# Altium PCB LimePSB-RPCM_1v5.PcbDoc (part 7 of 12)
Units mm, origin at the board's own origin, x right, y up, seen from the top; angles counter-clockwise.
Board outline 170 x 110 mm, 6 copper layers (Top, L2, L3, L4, L5, Bottom), stack 1.583 mm thick; 998 components, 580 nets, 4160 pads, 1908 vias.
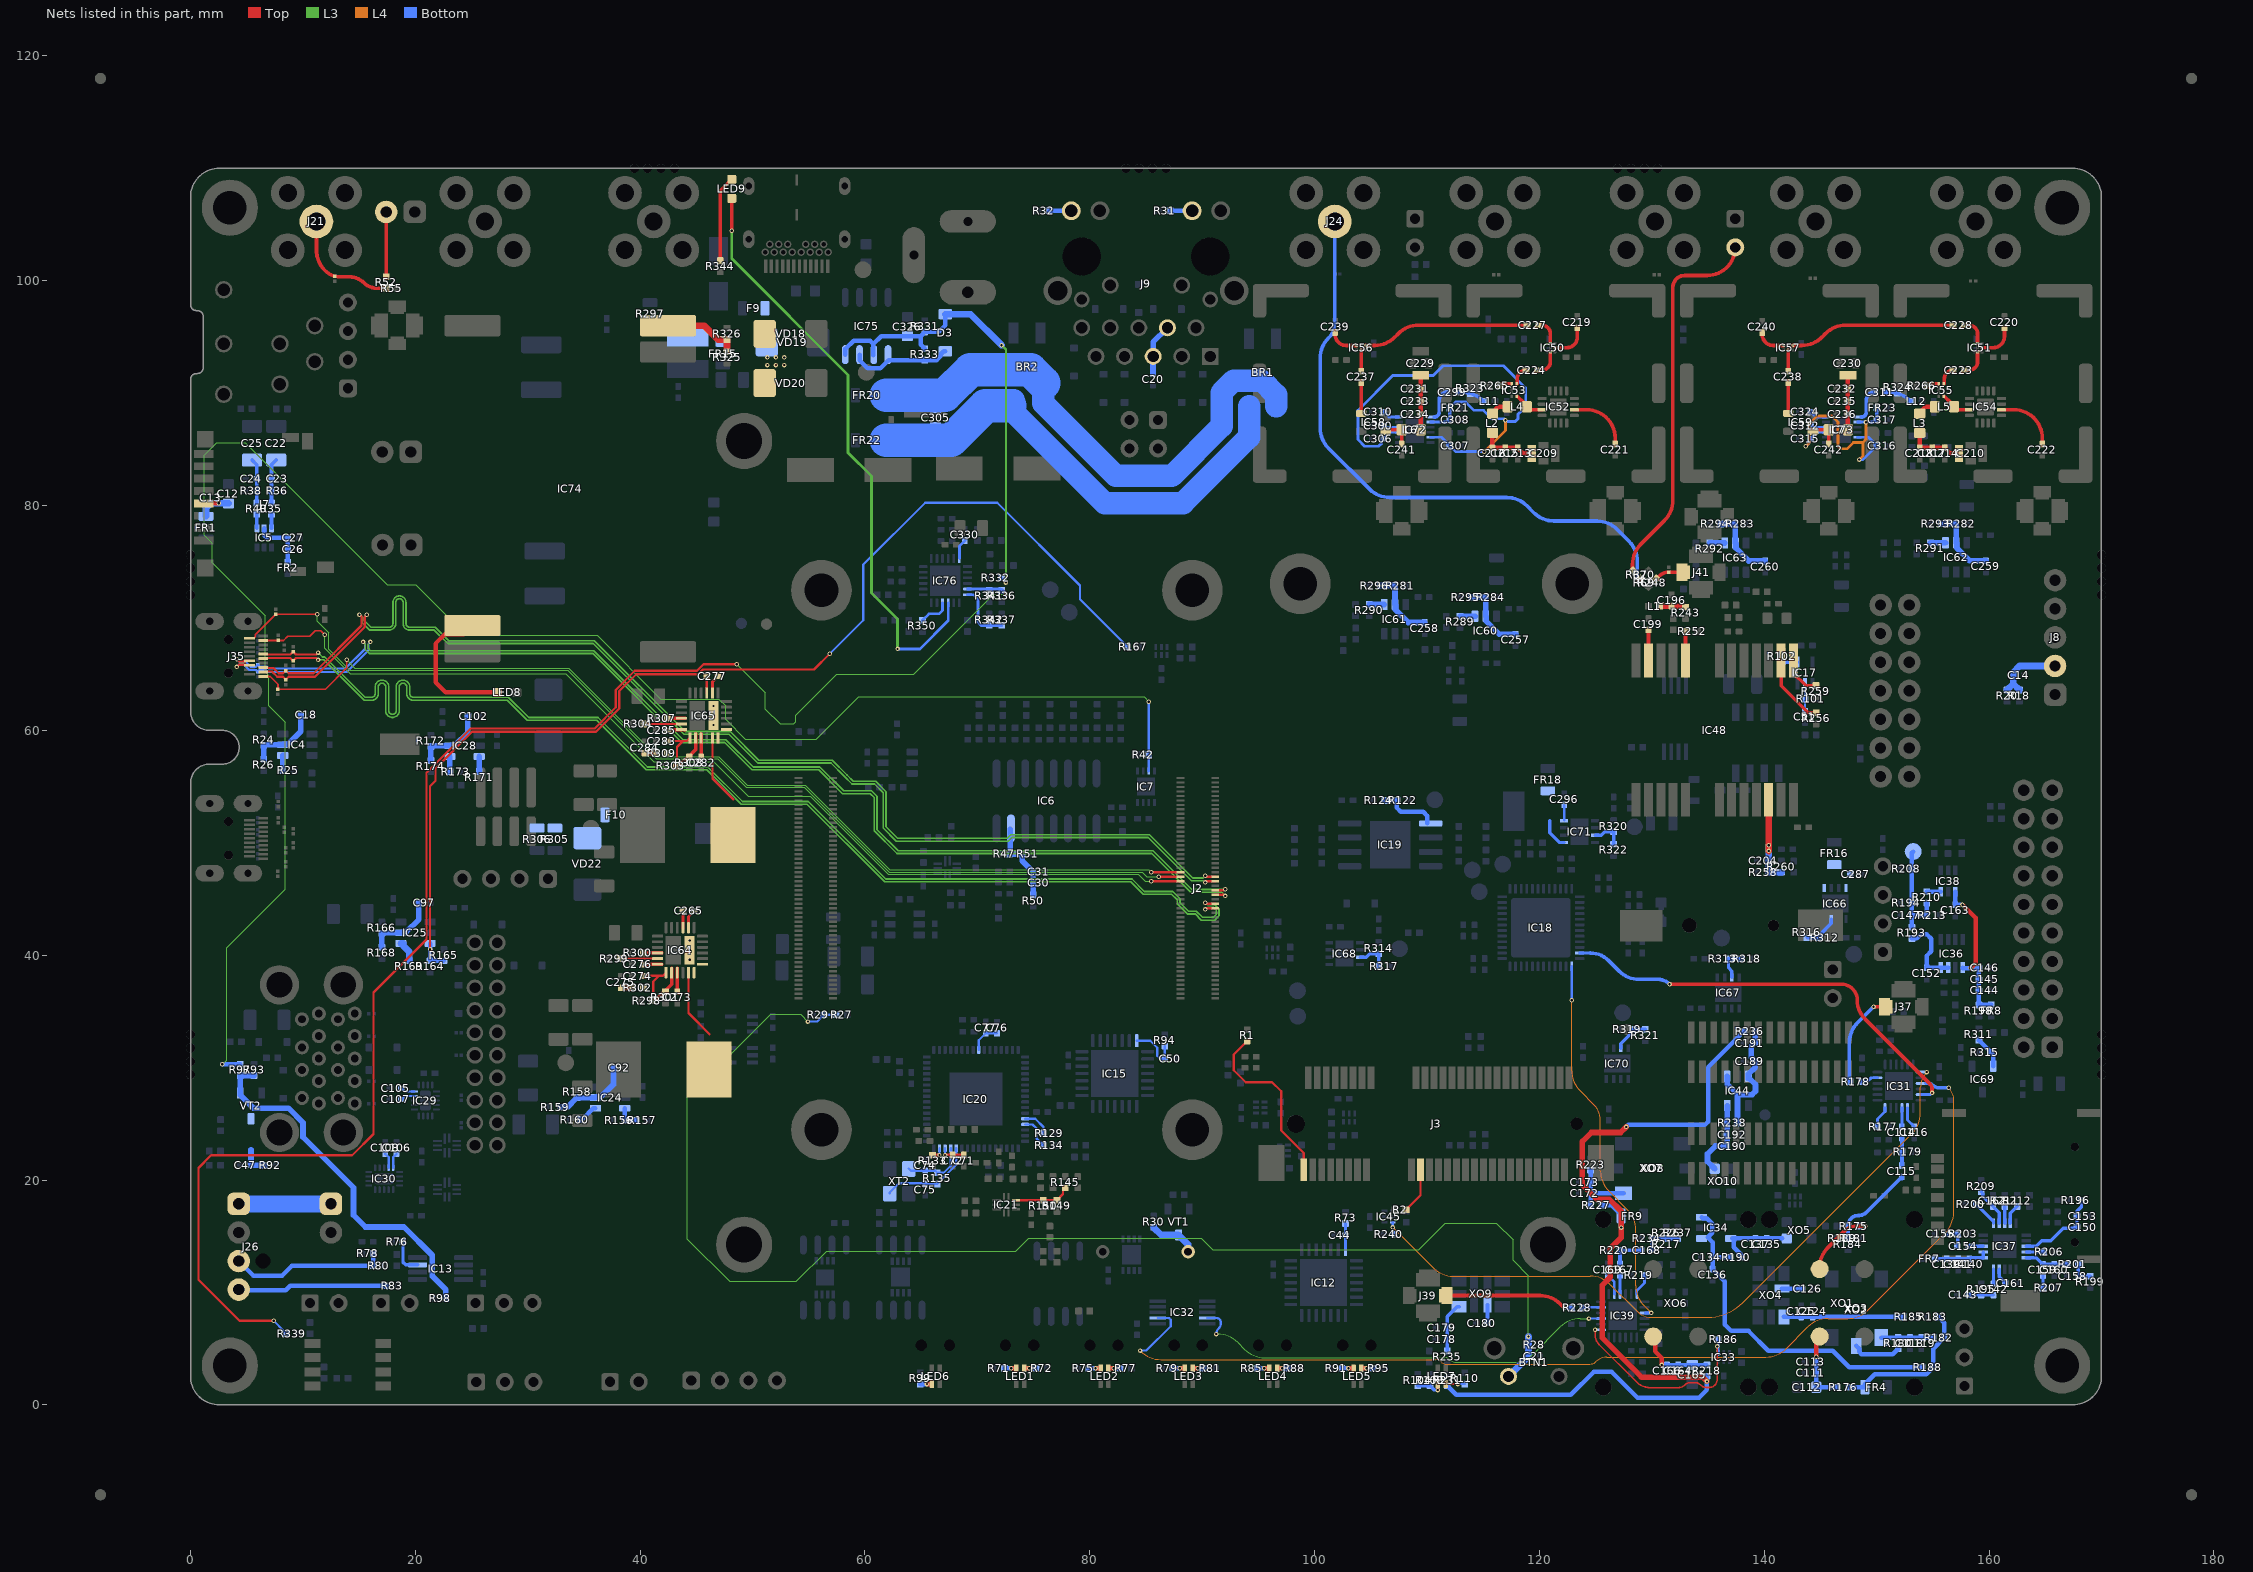
[diagram p11: the nets of this part, all layers, seen from the top]

## Via types
v1: diameter 0.4, hole 0.2, Top to Bottom, tented both sides, 1884 vias
v2: diameter 0.5, hole 0.2, Top to Bottom, tented both sides, 24 vias

## Nets (pads, with @x,y where several pads share a name; then routed paths per layer and width w, separated by ;. In a path a pad name is that pad's centre, name@x,y a point inside that pad or via, vN(x,y) a via of type N, cw(c..) or ccw(c..) an arc to the next point about the centre after c; other vN are vias at no path point) (continued)
HDMI1_D0_N: ESD24.1 J2.60 J35.11 | length 105.1
  Top w0.2: J35.11@6.475,66.798 6.785,66.798 6.835,66.748 8.873,66.748 ESD24.1@9.123,66.998 ; ESD24.1@9.127,66.998 9.377,66.748 11.173,66.748 v1(11.348,66.923) ; v1(90.28,44.075) 90.38,44.175 J2.60@91.165,44.175
  L3 w0.15: v1(11.348,66.923) 11.747,66.525 11.95,66.525 15.525,62.95 16.1,62.95 ccw(c16.1,63.279) 16.429,63.279 16.429,63.87 cw(c17.033,63.87) 17.637,63.87 17.637,61.755 ccw(c17.966,61.755) 18.295,61.755 18.295,63.87 cw(c18.899,63.87) 19.503,63.87 19.503,63.279 ccw(c19.832,63.279) 19.832,62.95 28.275,62.95 30.075,61.15 36.25,61.15 40.65,56.75 46.025,56.75 49.1,53.675 54.95,53.675 61.85,46.775 83.754,46.775 84.854,45.675 87.375,45.675 88.025,45.025 88.025,44.675 88.775,43.925 89.475,43.925 90.025,43.375 91,43.375 91.25,43.625 91.25,44.025 91.025,44.25 90.493,44.25 90.318,44.075 v1(90.28,44.075)
HDMI1_D0_P: ESD23.1 J2.58 J35.9 | length 105.8
  Top w0.2: J35.9@6.475,66.398 6.785,66.398 6.835,66.448 8.875,66.448 ESD23.1@9.125,66.198 9.375,66.448 11.173,66.448 v1(11.348,66.273) ; v1(90.28,44.675) 90.38,44.575 J2.58@91.165,44.575
  L3 w0.15: v1(11.348,66.273) 11.848,66.273 15.446,62.675 16.1,62.675 ccw(c16.1,63.279) 16.704,63.279 16.704,63.87 cw(c17.033,63.87) 17.362,63.87 17.362,61.755 ccw(c17.966,61.755) 18.57,61.755 18.57,63.87 cw(c18.899,63.87) 19.228,63.87 19.228,63.279 ccw(c19.832,63.279) 19.832,62.675 28.175,62.675 29.95,60.9 36.146,60.9 40.546,56.5 45.921,56.5 48.996,53.425 54.846,53.425 61.746,46.525 83.65,46.525 84.75,45.425 87.271,45.425 87.775,44.921 87.775,44.571 88.671,43.675 89.371,43.675 89.921,43.125 91.104,43.125 91.5,43.521 91.5,44.129 91.129,44.5 90.493,44.5 90.318,44.675 v1(90.28,44.675)
HDMI1_D1_N: ESD22.1 J2.54 J35.8 | length 103.6
  Top w0.2: v1(4.121,66.348) 4.321,66.148 4.89,66.148 4.94,66.198 J35.8@5.25,66.198 ; J2.54@91.165,45.375 91.95,45.375 v1(92.05,45.275)
  L3 w0.15: v1(15.35,67.875) 15.55,67.675 15.55,67.196 15.896,66.85 35.775,66.85 43.7,58.925 47.521,58.925 49.946,56.5 55.875,56.5 57.85,54.525 58,54.375 60.475,54.375 60.825,54.025 60.825,51.071 62.846,49.05 85.521,49.05 88.971,45.6 91.725,45.6 v1(92.05,45.275)
  Bottom w0.2: v1@4.118,66.348 4.318,66.148 4.871,66.148 5.348,65.672 5.798,65.672 ESD22.1@5.973,65.847 5.973,65.842 6.131,65.684 6.783,65.684 6.967,65.5 13.775,65.5 15.525,67.25 15.525,67.7 v1(15.35,67.875)
HDMI1_D1_P: ESD21.1 J2.52 J35.6 | length 103.5
  Top w0.2: v1(4.119,65.648) 4.319,65.848 4.89,65.848 4.94,65.798 J35.6@5.25,65.798 ; J2.52@91.165,45.775 91.95,45.775 v1(92.05,45.875)
  L3 w0.15: v1(16,67.875) 15.8,67.675 15.8,67.3 16,67.1 35.879,67.1 43.804,59.175 47.625,59.175 50.05,56.75 55.979,56.75 58.104,54.625 60.579,54.625 61.075,54.129 61.075,51.175 62.95,49.3 85.625,49.3 89.075,45.85 v1@92.05,45.85
  Bottom w0.2: v1@4.116,65.648 4.316,65.848 4.747,65.848 5.223,65.372 5.823,65.372 ESD21.1@5.973,65.222 5.973,65.227 6.131,65.384 6.659,65.384 6.843,65.2 13.899,65.2 15.825,67.126 15.825,67.7 v1(16,67.875)
HDMI1_D2_N: ESD20.1 J2.48 J35.5 | length 105.2
  Top w0.2: J35.5@6.475,65.598 6.785,65.598 6.835,65.548 7.376,65.548 7.849,65.075 8.225,65.075 ESD20.1@8.475,65.325 ; ESD20.1@8.478,65.325 8.728,65.075 10.95,65.075 15.2,69.325 15.2,70.125 v1(15.025,70.3) ; v1(90.28,46.475) 90.38,46.575 J2.48@91.165,46.575
  L3 w0.15: v1(15.025,70.3) 15.225,70.1 15.225,69.646 15.946,68.925 17.675,68.925 ccw(c17.675,69.504) 18.254,69.504 18.254,71.39 cw(c18.583,71.39) 18.583,71.719 cw(c18.583,71.39) 18.912,71.39 18.912,69.504 ccw(c19.491,69.504) 19.491,68.925 21.675,68.925 22.875,67.725 35.825,67.725 43.9,59.65 47.9,59.65 50.45,57.1 56.98,57.1 58.15,55.93 58.15,55.925 58.85,55.225 60.85,55.225 61.625,54.45 61.625,51.321 62.796,50.15 72.754,50.15 73.077,50.473 85.202,50.473 89.05,46.625 90.13,46.625 v1(90.28,46.475)
HDMI1_D2_P: ESD19.1 J2.46 J35.3 | length 105.3
  Top w0.2: J35.3@6.475,65.198 6.785,65.198 6.835,65.248 7.252,65.248 7.725,64.775 8.227,64.775 ESD19.1@8.477,64.525 8.727,64.775 11.074,64.775 15.5,69.201 15.5,70.125 v1(15.675,70.3) ; v1(90.28,47.075) 90.38,46.975 J2.46@91.165,46.975
  L3 w0.15: v1(15.675,70.3) 15.475,70.1 15.475,69.75 16.05,69.175 17.675,69.175 ccw(c17.675,69.504) 18.004,69.504 18.004,71.39 cw(c18.583,71.39) 18.583,71.969 cw(c18.583,71.39) 19.162,71.39 19.162,69.504 ccw(c19.491,69.504) 19.491,69.175 21.779,69.175 22.979,67.975 35.929,67.975 44.004,59.9 48.004,59.9 50.554,57.35 57.084,57.35 58.4,56.034 58.4,56.029 58.954,55.475 60.954,55.475 61.875,54.554 61.875,51.425 62.9,50.4 72.65,50.4 72.973,50.723 85.305,50.723 89.154,46.875 90.08,46.875 v1(90.28,47.075)
HDMI1_HPD: ESD30.1 J2.43 J35.1 | length 91.6
  Top w0.15: J35.1@6.475,64.798 7.077,64.798 7.775,64.1 ESD30.1@7.775,63.675 12,63.675 13.9,65.575 v1(13.9,66.275)
  Top w0.2: v1(85.475,47.375) J2.43@88.085,47.375
  L3 w0.1: v1(13.9,66.275) 14.625,65.55 33.633,65.55 41.508,57.675 46.983,57.675 49.533,55.125 54.699,55.125 62.224,47.6 85.25,47.6 v1(85.475,47.375)
HDMI1_SCL: ESD28.1 J2.47 J35.17 | length 91.9
  Top w0.15: J35.17@6.475,67.998 7.798,67.998 ESD28.1@7.8,68 8.275,68 8.65,68.375 10.6,68.375 11.1,68.875 11.575,68.875 v1(11.95,68.5)
  Top w0.2: v1(85.475,46.575) J2.47@88.085,46.575
  L3 w0.1: v1(11.95,68.5) 11.95,67.292 14.192,65.05 33.375,65.05 41.225,57.2 46.558,57.2 49.633,54.125 55.133,54.125 62.058,47.2 84.325,47.2 84.95,46.575 v1(85.475,46.575)
HDMI1_SDA: ESD29.1 J2.45 J35.18 | length 94.7
  Top w0.15: J35.18@5.25,68.198 5.635,68.198 5.675,68.238 5.675,68.25 5.75,68.325 5.75,68.505 7.57,70.325 v1(11.275,70.325)
  Top w0.2: v1(86.125,46.975) J2.45@88.085,46.975
  L3 w0.1: v1(11.275,70.325) 11.275,69.725 12.3,68.7 12.3,67.225 14.175,65.35 33.55,65.35 41.425,57.475 46.9,57.475 49.45,54.925 54.616,54.925 62.141,47.4 84.65,47.4 85.075,46.975 v1(86.125,46.975)
HDR_INT_TO_EXT1: J20.2 R52.2 | length 5.8
  Top w0.325: R52.2@17.4,100.35 J20.2@17.4,106.121
HDR_INT_TO_EXT2: J23.2 R62.2 | length 34.1
  Top w0.325: R62.2@128.286,74.189 128.286,74.784 cw(c130.826,74.784) 129.03,76.58 131.131,78.681 ccw(c129.335,80.477) 131.875,80.477 131.875,99.425 cw(c132.925,99.425) 132.925,100.475 134.925,100.475 ccw(c134.925,102.975) J23.2@137.425,102.975
INT_TO_EXT1: ESD1.1 J21.1 R52.1 R55.1 | length 10.4
  Top w0.325: J21.1@11.2,105.275 11.2,102.727 ccw(c13.74,102.727) 11.944,100.931 ccw(c13.347,102.334) 13.347,100.35 14.122,100.35 cw(c14.122,98.472) 15.45,99.8 ccw(c16.536,100.886) 16.536,99.35 R52.1@17.4,99.35
INT_TO_EXT2: ESD2.1 J24.1 R62.1 R69.1 R70.1 | length 54.7
  Top w0.325: v1(128.7,73.175) R69.1@128.997,73.472 ; R69.1@128.987,73.482 R69.1@128.993,73.482
  Bottom w0.325: J24.1@101.8,105.275 101.8,96.182 cw(c100.093,96.182) 101.3,94.975 101.244,94.919 ccw(c103.04,93.123) 100.5,93.123 100.5,86.902 ccw(c103.04,86.902) 101.244,85.106 104.881,81.469 ccw(c106.677,83.265) 106.677,80.725 117.098,80.725 cw(c117.098,78.185) 118.894,79.981 119.506,79.369 ccw(c121.302,81.165) 121.302,78.625 125.123,78.625 cw(c125.123,76.085) 126.919,77.881 127.956,76.844 cw(c126.16,75.048) 128.7,75.048 v1(128.7,73.175)
ISNK_COARSE: IC76.5 R336.2 R339.2 R341.2 | length 138.7
  Top w0.2: v1(7.4,7.475) 4.35,7.475 0.7,11.125 0.7,21.075 1.825,22.2 14.375,22.2 16.275,24.1 16.275,36.69 20.985,41.4 20.985,56.235 24.925,60.175 35.951,60.175 37.825,62.049 37.825,63.6 39.525,65.3 45.05,65.3 45.625,65.875 v1(48.6,65.875)
  L3 w0.1: v1(48.6,65.875) 51.125,63.35 51.125,61.9 52.45,60.575 53.65,60.575 53.825,60.75 53.825,61.334 57.491,65 64.325,65 71.445,72.12 v1(72.516,72.12)
  Bottom w0.2: v1(7.4,7.475) 8.325,6.55 8.325,6.525 R339.2@8.525,6.325
  Bottom w0.25: IC76.5@69.116,72.575 R336.2@72.061,72.575
  Bottom w0.4: R336.2@72.166,72.47 v1(72.516,72.12)
ISNK_FINE: IC76.6 R337.2 R342.2 | length 5.4
  Bottom w0.25: IC76.6@69.116,72.075 69.661,72.075 70.041,71.695 70.041,69.645 70.341,69.345 R342.2@71.066,69.345 R337.2@72.166,69.345
LM75_OS: IC7.3 R42.1 R97.1 | length 165.1
  L3 w0.1: v1(2.825,30.3) 3.2,30.675 3.2,40.65 8.425,45.875 8.425,60.725 6.975,62.175 6.975,64.85 6.625,65.2 6.625,70.2 1.925,74.9 1.925,76.65 1.225,77.35 1.225,84.483 2.342,85.6 4.85,85.6 17.5,72.95 20.05,72.95 24.55,68.45 36.175,68.45 41.85,62.775 47,62.775 47.6,62.175 47.6,60.975 49.35,59.225 55.675,59.225 59.425,62.975 84.825,62.975 v1(85.25,62.55)
  Bottom w0.25: IC7.3@85.25,56.4 R42.1@85.25,57.851 v1(85.25,62.55)
  Bottom w0.4: v1(2.825,30.3) R97.1@4.425,30.3
LMK10_CLK_OUT0: IC18.37 IC39.3 | length 33.8
  L4 w0.1: v1(122.875,35.985) 122.875,29.727 ccw(c125.415,29.727) 123.619,27.931 124.85,26.7 cw(c123.462,25.312) 125.425,25.312 125.425,20.827 ccw(c127.965,20.827) 126.169,19.031 127.831,17.369 cw(c126.035,15.573) 128.575,15.573 128.575,10.591 ccw(c131.115,10.591) 129.319,8.795 v1(129.939,8.174)
  Bottom w0.25: v1(122.875,35.985) IC18.37@122.875,39 ; IC39.3@129.414,8.174 v1(129.939,8.174)
LMK10_CLK_OUT2: IC33.1 IC39.13 R186.2 | length 18.2
  Top w0.15: v1(124.954,6.674) 124.954,6.211 ccw(c126.136,6.211) 125.3,5.375 128.631,2.044 ccw(c129.884,3.297) 129.884,1.525 132.311,1.525 ccw(c132.311,2.464) 132.975,1.8 cw(c133.397,1.378) 133.397,1.975 133.842,1.975 cw(c133.842,1.292) 134.325,1.775 ccw(c134.868,2.318) 134.868,1.55 135.121,1.55 ccw(c135.121,2.223) 135.597,1.747 ccw(c135.047,2.297) 135.825,2.297 v1(135.825,5.2)
  Bottom w0.23: IC33.1@135.9,4.613 R186.2@135.9,5.825
LMK10_CLK_OUT3: IC32.4 IC39.15 | length 39
  L3 w0.1: v1(91.25,6.292) 91.356,6.292 cw(c91.356,3.752) 93.152,5.548 93.756,4.944 ccw(c95.552,6.74) 95.552,4.2 111.588,4.2 cw(c111.588,3.688) 111.95,4.05 ccw(c112.614,4.714) 112.614,3.775 117.648,3.775 ccw(c117.648,6.315) 119.444,4.519 121.855,6.93 cw(c123.651,5.134) 123.651,7.674 v1(124.399,7.674)
  Bottom w0.2: IC32.4@90.45,7.725 91.275,7.725 cw(c91.275,7.35) 91.65,7.35 91.65,7.258 cw(c90.967,7.258) 91.45,6.775 ccw(c91.933,6.292) v1(91.25,6.292) ; v1(124.399,7.674) IC39.15@125.489,7.674
LMK10_CLK_OUT4: IC39.17 R228.2 | length 1.6
  Bottom w0.25: R228.2@123.864,8.624 123.914,8.674 IC39.17@125.489,8.674
LMKRF_CLK_OUT1: IC31.5 R178.2 | length 1.6
  Bottom w0.25: R178.2@148.65,28.75 148.654,28.754 149.179,28.754 149.525,29.1 IC31.5@150.075,29.1
LMKRF_CLK_OUT2: IC31.13 IC45.3 R240.2 | length 62.7
  L4 w0.1: v1(106.95,15.781) 110.537,12.194 ccw(c112.333,13.99) 112.333,11.45 124.523,11.45 cw(c124.523,8.91) 126.319,10.706 128.73,8.295 ccw(c129.925,9.49) 129.925,7.8 134.988,7.8 ccw(c134.988,12.175) 138.081,9.081 153.156,24.156 ccw(c151.36,25.952) 153.9,25.952 153.9,28.247 cw(c155.814,28.247) 153.926,28.561 cw(c155.814,28.247) v1(154.461,29.601)
  Bottom w0.2: IC45.3@106.95,16.25 v1(106.95,15.781) 106.95,15.312 R240.2@107.087,15.175
LMKRF_CLK_OUT3: IC31.15 IC32.7 | length 97.1
  L4 w0.1: v1(84.475,4.825) 84.531,4.769 ccw(c86.327,6.565) 86.327,4.025 110.767,4.025 cw(c110.767,3.342) 111.25,3.825 ccw(c111.733,4.308) 111.733,3.625 124.471,3.625 ccw(c124.471,4.479) 125.075,3.875 cw(c125.98,2.97) 125.98,4.25 140.148,4.25 ccw(c140.148,6.79) 141.944,4.994 143.881,6.931 cw(c145.677,5.135) 145.677,7.675 147.423,7.675 ccw(c147.423,10.215) 149.219,8.419 156.106,15.306 ccw(c154.31,17.102) 156.85,17.102 156.85,27.174 ccw(c155.399,27.174) v1(156.425,28.2)
  Bottom w0.2: v1(84.475,4.825) 85.026,4.825 87.2,6.999 87.2,7.575 87.05,7.725 IC32.7@86.05,7.725
  Bottom w0.325: 154.385,28.6 154.588,28.6 cw(c154.588,28.088) 154.95,28.45 ccw(c155.554,29.054) 155.554,28.2 v1(156.425,28.2)
LMKRF_CLK_OUT4: IC18.35 IC31.17 | length 38.3
  Top w0.325: v1(131.575,37.425) 146.85,37.425 cw(c146.85,36) 148.275,36 ccw(c150.629,36) 148.964,34.336 154.75,28.55 ; 154.75,28.55 cw(c154.328,28.128) 154.925,28.128 v1(154.925,27.75)
  Bottom w0.25: IC18.35@123.575,40.2 124.525,40.2 ; IC31.17@153.925,27.6 154.775,27.6 v1(154.925,27.75)
  Bottom w0.325: 124.525,40.2 cw(c124.525,37.906) 126.147,39.528 127.081,38.594 ccw(c128.877,40.39) 128.877,37.85 130.549,37.85 cw(c130.549,36.399) v1(131.575,37.425)
NetBR1_1: BR1.1 BR2.1 C305.1 FR20.1 VD23.K | length 47.2
  Bottom w2: 75.85,90.675 75.85,89.125 82.325,82.65 87.3,82.65 91.725,87.075 91.725,90.05 92.8,91.125 95.3,91.125 96.575,89.85 BR1.1@96.575,88.85
  Bottom w3: 61.9,89.825 VD23.K@63.575,89.825 67.125,89.825 69.375,92.075 74.725,92.075 75.9,90.9
NetBR1_2: BR1.2 BR2.2 C305.2 FR22.1 VD23.A | length 42.8
  Bottom w2: BR2.2@73.225,89.35 73.225,88.325 81.325,80.225 88.3,80.225 94.175,86.1 BR1.2@94.175,88.85
  Bottom w3: 61.9,85.825 VD23.A@63.575,85.825 66.275,85.825 67.675,85.825 70.725,88.875 BR2.2@72.875,88.875
NetBTN1_1: BTN1.1 C21.1 R27.2 R28.2 R29.2 | length 121.5
  L3 w0.1: v1(54.925,34.1) 54.275,34.75 51.6,34.75 44.2,27.35 44.2,14.725 47.95,10.975 53.883,10.975 56.583,13.675 73.425,13.675 74.55,14.8 89.925,14.8 90.925,13.8 109.25,13.8 111.625,16.175 116.175,16.175 117.65,14.7 117.65,12.875 119.025,11.5 v1(119.025,6.075)
  Bottom w0.2: v1(54.925,34.1) 55.75,34.1 R29.2@56.35,34.7 R27.2@57.425,34.7
  Bottom w0.6: BTN1.1@117.25,2.53 C21.1@119.025,4.305 R28.2@119.025,5.355 v1(119.025,6.075)
NetBZ1_2: BZ1.2 R30.2 VT1.D | length 4.3
  Bottom w0.6: R30.2@85.685,15.79 86.355,15.12 VT1.D@87.9,15.12 88.75,14.27 BZ1.2@88.75,13.625
NetC12_2: C12.2 C13.1 FR1.1 J7.4 | length 4.2
  Top w0.4: J7.4@1.18,80.2 v1(2.5,80.2)
  Bottom w0.6: FR1.1@1.375,79.05 1.375,79.775 C13.1@1.8,80.2 v1(2.5,80.2) C12.2@3.375,80.2
NetC14_1: C14.1 J8.2 R18.2 R20.2 | length 6.5
  Bottom w0.6: R20.2@161.6,63.6 162.15,64.15 ; R18.2@162.7,63.6 162.15,64.15 ; J8.2@165.875,65.732 162.707,65.732 162.15,65.175 C14.1@162.15,64.9 162.15,64.15
NetC18_1: C18.1 IC4.5 R24.1 R26.2 | length 6.4
  Bottom w0.5: R26.2@6.51,57.423 R24.1@6.51,58.673 ; R24.1@6.562,58.725 IC4.5@8.2,58.725 8.25,58.775 8.662,58.775 9.8,59.913 C18.1@9.8,61.373
NetC20_1: C20.1 J9.4 J9.5 | length 4.6
  Bottom w0.5: C20.1@85.625,91.725 J9.5@85.625,93.265 ; J9.5@85.635,93.275 85.635,94.545 J9.4@86.905,95.815
NetC22_2: C22.2 C23.1 R35.2 R36.2 | length 4
  Bottom w0.325: R35.2@7.2,80.225 R36.2@7.2,81.325 C23.1@7.2,82.375 7.2,83.625 C22.2@7.625,84.05
NetC24_2: C24.2 C25.2 R38.1 R40.2 | length 4
  Bottom w0.325: C25.2@5.475,84.05 5.9,83.625 C24.2@5.9,82.375 R38.1@5.9,81.325 R40.2@5.9,80.225
NetC26_2: C26.2 C27.1 FR2.1 IC5.5 | length 5
  Bottom w0.4: IC5.5@6.55,77.975 6.55,77.375 6.8,77.125 C27.1@8.65,77.125 FR2.1@8.65,74.952
NetC30_2: C30.2 C31.1 IC6.15 R47.1 R50.2 R51.1 | length 7.4
  Bottom w0.5: IC6.15@72.926,51.22 72.926,49.06 R47.1@72.876,49.01 R51.1@73.974,49.01 ; R51.1@73.974,49.01 73.986,48.998 73.986,48.398 74.926,47.458 74.926,47.435 C31.1@74.976,47.435 C30.2@74.976,46.435 R50.2@74.976,45.36
NetC44_1: C44.1 IC12.14 R73.1 | length 2.3
  Bottom w0.25: IC12.14@102.75,13.8 R73.1@102.75,16.125
NetC47_2: C47.2 J26.1 J27.1 R92.2 VT2.D | length 10.8
  Bottom w0.5: 5.375,22.7 C47.2@5.375,21.325 R92.2@6.575,21.325
  Bottom w1.5: J26.1@4.287,17.88 J27.1@12.491,17.88
NetC50_1: C50.1 IC15.14 R94.1 | length 4.7
  Bottom w0.2: IC15.14@84.175,32.4 85.375,32.4 86,31.775 86,31.05 86.275,30.775 C50.1@86.675,30.775 R94.1@86.675,31.925
NetC51_2: C51.2 IC17.2 R101.1 | length 2.4
  Bottom w0.2: C51.2@143.625,61.7 R101.1@143.625,62.8 IC17.2@143.625,64.15
NetC71_2: C71.2 C72.1 IC20.62 | length 2.3
  Top w0.3: v1(67.125,22.225) C72.1@67.8,22.225 C71.2@68.8,22.225
  Bottom w0.2: v1(67.125,22.225) IC20.62@67.125,22.825
NetC74_2: C74.2 IC20.61 R135.1 XT2.1 | length 5.7
  Bottom w0.2: XT2.1@63.9,21.025 64.1,20.825 C74.2@65.375,20.825 66.25,20.825 R135.1@66.425,20.65 67.001,20.65 67.625,21.274 IC20.61@67.625,22.825
NetC75_2: C75.2 IC20.60 R135.2 XT2.3 | length 8.6
  Bottom w0.2: XT2.3@62.2,18.825 62.2,18.898 63.027,19.725 65.3,19.725 C75.2@65.375,19.65 R135.2@66.425,19.65 68.125,21.35 IC20.60@68.125,22.825
NetC76_2: C76.2 C77.1 IC20.25 | length 2.7
  Bottom w0.2: IC20.25@70.125,31.575 70.125,32.425 70.748,33.047 C76.2@71.749,33.047
NetC92_1: C92.1 IC24.5 R158.1 R159.2 | length 6.9
  Bottom w0.5: R159.2@32.925,26.475 33.525,26.475 R158.1@34.335,27.285 ; R158.1@34.387,27.337 IC24.5@36.025,27.337 36.075,27.387 36.487,27.387 37.625,28.525 C92.1@37.625,29.985
NetC97_1: C97.1 IC25.5 R166.1 R168.2 | length 6.4
  Bottom w0.5: R168.2@17.023,40.698 R166.1@17.023,41.948 ; R166.1@17.075,42 IC25.5@18.713,42 18.763,42.05 19.175,42.05 20.313,43.188 C97.1@20.313,44.648
NetC102_1: C102.1 IC28.5 R172.1 R174.2 | length 6.4
  Bottom w0.5: R174.2@21.385,57.323 R172.1@21.385,58.573 ; R172.1@21.437,58.625 IC28.5@23.075,58.625 23.125,58.675 23.537,58.675 24.675,59.813 C102.1@24.675,61.273
NetC105_1: C105.1 IC29.14 | length 1.3
  Bottom w0.2: C105.1@18.75,28.175 18.8,28.175 18.95,28.025 18.95,27.992 19.067,27.875 IC29.14@19.923,27.875
NetC106_1: C106.1 IC30.14 | length 1.4
  Bottom w0.2: IC30.14@18.023,21.102 18.023,22.033 18.14,22.15 18.175,22.15 18.325,22.3 C106.1@18.325,22.35
NetC107_1: C107.1 IC29.13 | length 1.3
  Bottom w0.2: C107.1@18.75,27.175 18.8,27.175 18.95,27.325 18.95,27.358 19.067,27.475 IC29.13@19.923,27.475
NetC108_1: C108.1 IC30.13 | length 1.4
  Bottom w0.2: C108.1@17.323,22.35 17.323,22.3 17.473,22.15 17.506,22.15 17.623,22.033 IC30.13@17.623,21.102
NetC111_2: C111.2 C112.2 C113.1 R176.2 XO1.4 | length 6.4
  Top w0.4: v1(144.625,4.275) XO1.4@144.625,6.075
  Bottom w0.4: v1(144.625,4.275) C113.1@144.625,3.85 C111.2@144.625,2.85 C112.2@144.625,1.575 R176.2@146.525,1.575
NetC114_1: C114.1 IC31.21 | length 1.7
  Bottom w0.25: C114.1@152.25,24.75 IC31.21@152.25,26.425
NetC114_2: C114.2 C115.1 R179.2 | length 2.5
  Bottom w0.325: C115.1@152.25,21.3 R179.2@152.25,22.525 C114.2@152.25,23.75
NetC115_2: C115.2 R175.1 R181.1 R184.2 R189.1 | length 8
  Bottom w0.325: R181.1@147.45,14.8 R175.1@147.45,15.9 cw(c147.571,15.9) R175.1@147.485,15.985 ; R175.1@147.485,15.985 cw(c148.35,15.985) 148.35,16.85 148.425,16.85 ccw(c148.425,17.755) 149.065,17.115 C115.2@152.25,20.3 C115.2@152.25,20.127
NetC116_2: C116.2 IC31.20 | length 1.9
  Bottom w0.25: IC31.20@152.75,26.425 152.75,25.35 C116.2@153.35,24.75
NetC118_2: C118.2 C119.2 R180.2 R182.1 XO2.5 XO3.4 | length 5.4
  Bottom w0.4: XO2.5@150.389,5.99 152.665,5.99 ; R180.2@151.915,5.99 C118.2@152.965,5.99 C119.2@153.965,5.99 R182.1@155.015,5.99
NetC124_2: C124.2 C125.2 R185.2 XO4.9 | length 10.6
  Bottom w0.4: XO4.9@141.75,7.825 C125.2@143.3,7.825 C124.2@144.3,7.825 R185.2@152.375,7.825
NetC126_2: C126.2 XO4.7 | length 1.8
  Bottom w0.4: XO4.7@141.575,10.35 C126.2@143.35,10.35
NetC134_2: C134.2 C136.2 IC34.1 IC34.3 R188.2 R190.2 | length 31.7
  Bottom w0.4: IC34.3@134.425,16.7 134.525,16.6 134.9,16.6 135.375,16.125 135.375,15.3 134.975,14.9 135.4,14.475 C134.2@135.4,13.125 ; R190.2@137,13.125 C134.2@135.4,13.125 ; R188.2@154.025,3.35 147.575,3.35 146.1,4.825 140.35,4.825 138.6,6.575 137.068,6.575 136.5,7.143 136.5,10.975 135.5,11.975 135.45,11.975 135.4,12.025 C136.2@135.4,12.075 C134.2@135.4,13.125
NetC135_2: C135.2 C137.2 IC34.5 R190.1 XO5.4 | length 6.4
  Bottom w0.4: R190.1@138,13.125 137.9,13.225 137.9,13.4 137.275,14.025 137.275,14.7 137.175,14.8 138,14.8 C135.2@140.225,14.8 XO5.4@141.6,14.8
NetC139_2: C139.2 C140.1 C141.1 FR7.2 IC37.6 IC37.7 | length 4.8
  Bottom w0.3: FR7.2@155.2,13 C139.2@156.25,13 C141.1@157.25,13 C140.1@158.25,13 158.35,13.1 IC37.6@159.5,13.1 IC37.7@159.5,13.6
NetC142_1: C142.1 IC37.5 | length 1.3
  Bottom w0.3: C142.1@160.4,10.775 IC37.5@160.4,12.05
NetC142_2: C142.2 C143.1 R195.2 | length 2.2
  Bottom w0.3: C143.1@158.2,9.775 C142.2@160.4,9.775
NetC144_2: C144.2 C145.1 C146.1 C163.1 FR8.1 IC36.1 IC38.4 R198.2 | length 14